# Altium PCB KAY1024_ATX.PcbDoc (part 3 of 4)
Units mm, origin at the board's own origin, x right, y up, seen from the top; angles counter-clockwise.
Board outline 170 x 215 mm, 2 copper layers (Top Layer, Bottom Layer), stack 1.57 mm thick; 239 components, 312 nets, 1637 pads, 958 vias.
Unrouted connection lines stored in the file: 1.
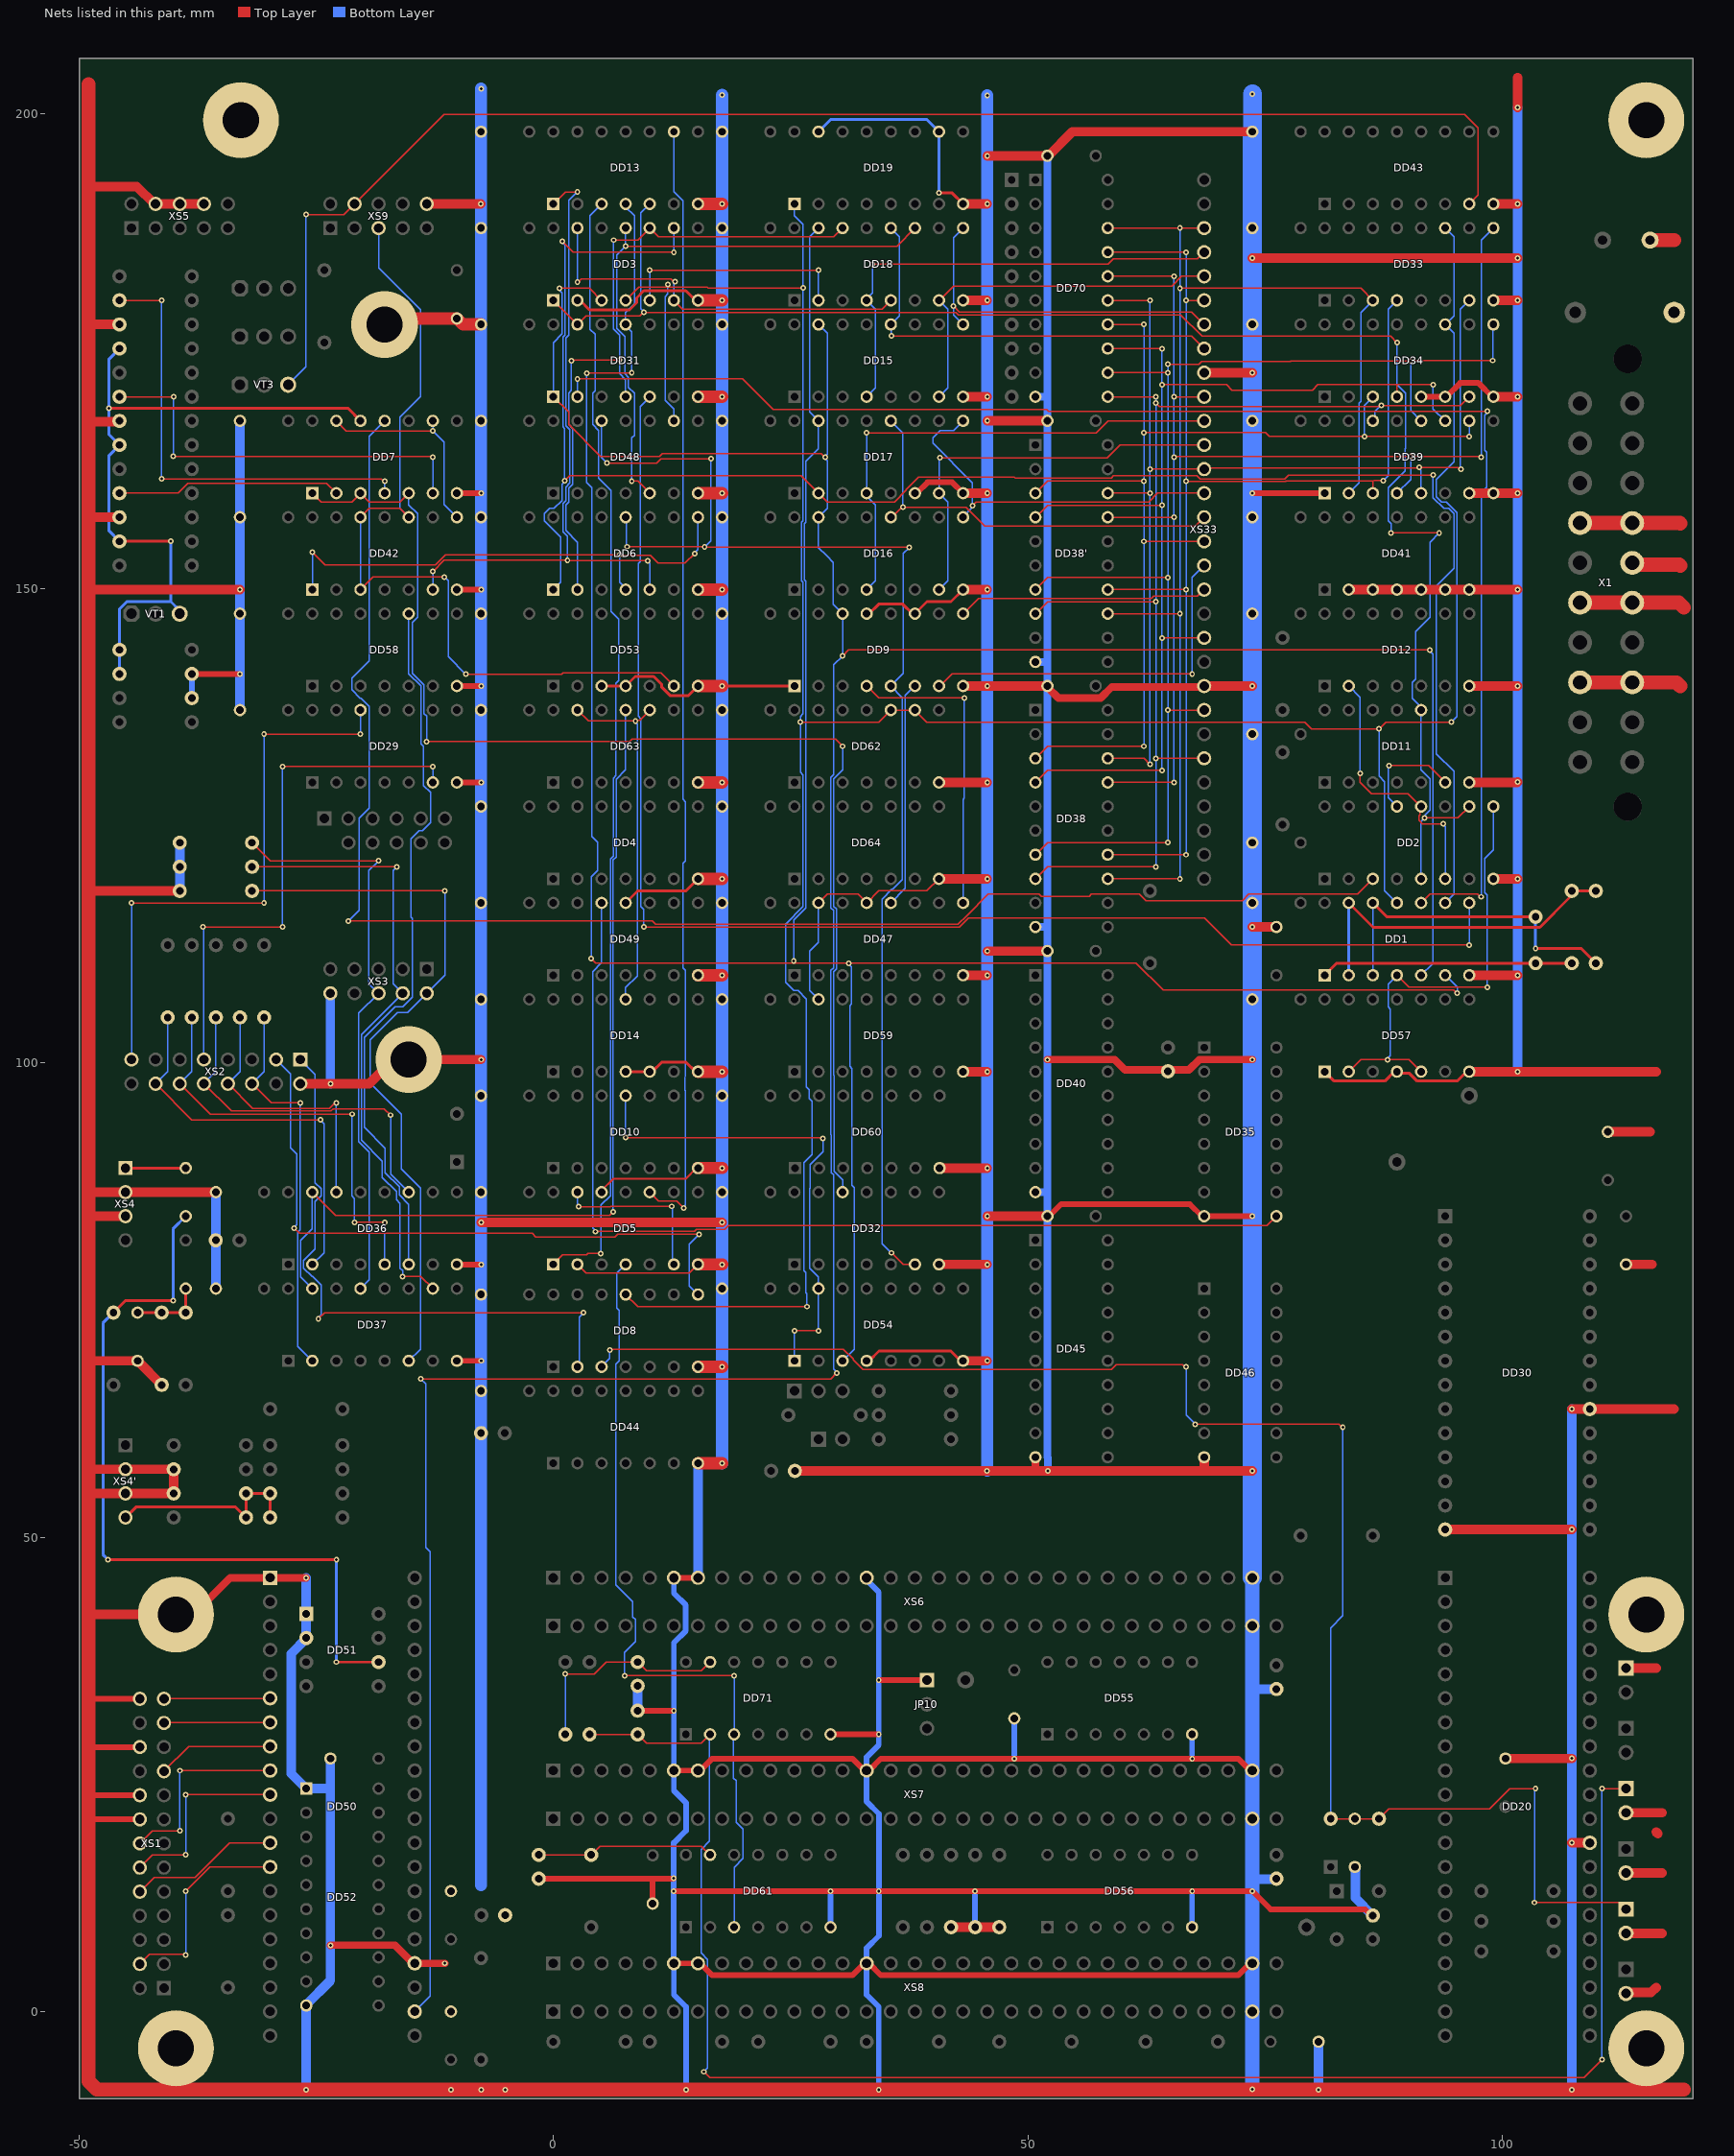
[diagram p3: the nets of this part, all layers, seen from the top]

## Via types
v1: diameter 0.6, hole 0.3, Top Layer to Bottom Layer, tented both sides, 956 vias
v2: diameter 7, hole 3.8, Top Layer to Bottom Layer, 2 vias

## Nets (pads, with @x,y where several pads share a name; then routed paths per layer and width w, separated by ;. In a path a pad name is that pad's centre, name@x,y a point inside that pad or via, vN(x,y) a via of type N, cw(c..) or ccw(c..) an arc to the next point about the centre after c; other vN are vias at no path point) (continued)
DRED: DD43.7 VT3.B XS9.4 | length 155.6
  Top Layer w0.15: v1(-26.067,189.395) -22.06,189.395 XS9.4@-20.955,190.5 -11.51,199.945 96.003,199.945 97.445,198.503 97.445,191.425 DD43.7@96.52,190.5
  Bottom Layer w0.15: VT3.B@-27.94,171.45 -26.067,173.323 v1(-26.067,189.395)
FLASH: DD5.10 DD13.9 | length 118.6
  Top Layer w0.15: DD5.10@10.16,86.36 11.085,85.435 12.99,85.435 v1(13.742,84.683)
  Bottom Layer w0.15: DD13.9@12.7,198.12 12.7,191.808 13.67,190.838 13.67,127.762 13.925,127.507 13.925,121.261 13.655,120.991 13.655,109.998 13.925,109.727 13.925,98.553 13.85,98.477 13.85,97.103 13.925,97.027 13.925,84.989 13.742,84.805 v1(13.742,84.683)
GND: C1.2 C2.2 C4.2 C5.2 C7.2 C8.2 C9.2 C10.2 C11.2 C12.2 C13.2 C14.2 C15.2 C16.2 C18.2 C19.2 C20.2 C21.2 C22.2 C23.2 C24.2 C25.2 C26.2 C27.2 C28.2 C29.1 C30.2 C31.2 C32.2 C33.2 C34.2 C35.2 C36.2 C37.2 C38.2 C39.2 C40.2 C41.2 C42.2 C43.2 C44.2 C45.2 C46.2 C47.2 C48.2 C49.2 C50.2 C51.2 C52.2 C53.2 C54.2 C55.2 C56.2 C57.2 C58.2 C59.2 C60.2 C61.2 C62.2 C63.2 C64.2 C65.2 C66.2 C67.2 C68.2 C69.2 C70.2 C71.2 C72.2 C73.2 C74.2 C75.2 C76.2 DD1.7 DD2.8 DD3.2 DD3.7 DD4.7 DD5.2 DD5.7 DD5.12 DD6.7 DD7.7 DD8.7 DD9.1 DD9.8 DD9.11 DD9.13 DD10.7 DD11.7 DD12.7 DD13.7 DD14.4 DD14.5 DD14.7 DD15.8 DD16.8 DD17.6 DD17.8 DD18.8 DD19.8 DD19.10 DD19.15 DD20.29 DD29.7 DD30.14 DD30.20 DD31.7 DD32.7 DD33.8 DD34.5 DD34.6 DD34.8 DD35.8 DD36.8 DD37.8 DD38'.10 DD38.10 DD39.1 DD39.7 DD39.8 DD40.10 DD41.2 DD41.3 DD41.4 DD41.5 DD41.6 DD41.7 DD42.7 DD43.8 DD44.7 DD45.10 DD46.8 DD47.8 DD47.13 DD47.15 DD48.7 DD49.7 DD49.11 DD50.1 DD50.24 DD51.1 DD51.2 DD52.1 DD52.10 DD53.3 DD53.4 DD53.7 DD54.4 DD54.8 DD55.7 DD56.7 DD57.1 DD57.4 DD57.7 DD58.7 DD59.8 DD59.15 DD60.7 DD61.7 DD62.7 DD63.7 DD64.7 DD70.10 DD71.7 HL1.1 JP1'.2 JP1.2 JP2.2 JP7.2 JP10.1 pad.0 R12.1 R14.1 R24.2 R27.1 R28.1 R29.1 R48.1 R49.1 R50.1 R51.1 R54.1 R56.1 R57.1 R75.1 VD5.1 X1.3 X1.5 X1.7 X1.13 X1.15 X1.16 X1.17 XS1.16 XS1.18 XS1.22 XS1.26 XS2.2 XS3.10 XS4'.2 XS4'.3 XS4.2 XS4.3 XS5.4 XS5.6 XS5.8 XS6.A6 XS6.A7 XS6.A14 XS6.A30 XS6.B30 XS7.A6 XS7.A7 XS7.A14 XS7.A30 XS7.B30 XS8.A6 XS8.A7 XS8.A14 XS8.A30 XS8.B30 XS9.10 XS33.9 XS33.22 | length 2788.9
  Top Layer w0.15: DD5.2@2.54,78.74 3.465,77.815 14.315,77.815 DD5.7@15.24,78.74 ; DD47.15@27.94,116.84 28.865,117.765 32.095,117.765 DD47.13@33.02,116.84 34.29,118.11 39.37,118.11 DD64.7@40.64,119.38
  Top Layer w0.2: DD5.12@5.08,86.36 5.08,86.509 6.34,87.769 13.96,87.769 15.091,88.9 DD10.7@15.24,88.9
  Top Layer w0.3: DD3.2@2.54,180.34 2.811,180.34 3.811,179.34 8.034,179.34 8.78,180.085 8.78,180.602 9.525,181.347 13.962,181.347 14.969,180.34 DD3.7@15.24,180.34 ; DD53.3@5.08,139.7 DD53.4@7.62,139.7 8.62,140.7 10.574,140.7 11.43,139.844 11.43,139.556 12.286,138.7 14.24,138.7 DD53.7@15.24,139.7 ; DD14.4@7.62,99.06 DD14.5@10.16,99.06 10.431,99.06 11.431,100.06 13.969,100.06 14.969,99.06 DD14.7@15.24,99.06 ; DD49.11@7.62,116.84 8.89,118.11 13.97,118.11 DD4.7@15.24,119.38 ; v1(17.78,139.7) DD9.1@25.4,139.7 ; DD54.4@33.02,68.58 33.291,68.58 34.32,69.609 41.88,69.609 42.909,68.58 DD54.8@43.18,68.58 ; DD9.13@33.02,147.32 33.291,147.32 34.291,148.32 36.829,148.32 37.829,147.32 DD9.11@38.1,147.32 39.37,148.59 41.91,148.59 DD16.8@43.18,149.86 ; v1(40.64,191.65) 42.03,191.65 DD19.8@43.18,190.5 ; DD57.1@81.28,99.06 82.28,98.06 87.629,98.06 88.629,99.06 DD57.4@88.9,99.06 89.091,98.869 90.217,98.869 91.026,98.06 95.249,98.06 96.249,99.06 DD57.7@96.52,99.06
  Top Layer w0.6: -48.976,20.32 -48.912,20.256 XS1.16@-43.576,20.256 ; -48.976,22.86 -48.912,22.796 XS1.18@-43.576,22.796 ; -48.976,27.94 -48.912,27.876 XS1.22@-43.576,27.876 ; -48.976,33.02 -48.912,32.956 XS1.26@-43.576,32.956 ; R51.1@-38.1,140.97 v1(-33.02,140.97) ; v2@-16.465,101.555 v2(-15.24,100.33) ; DD37.8@-10.16,68.58 v1(-7.62,68.58) ; DD36.8@-10.16,78.74 v1(-7.62,78.74) ; DD29.7@-10.16,129.54 v1(-7.62,129.54) ; DD58.7@-10.16,139.7 v1(-7.62,139.7) ; DD42.7@-10.16,149.86 v1(-7.62,149.86) ; DD7.7@-10.16,160.02 v1(-7.62,160.02) ; C55.2@-7.701,106.68 C55.2@-7.62,106.68 ; C20.2@-1.543,14.01 10.467,14.01 ; C23.2@8.89,31.71 v1@12.694,31.71 ; C24.2@10.471,11.384 10.471,14.007 10.467,14.01 ; v1(12.677,12.7) v1(29.21,12.7) v1(34.29,12.7) v1(44.45,12.7) v1(67.31,12.7) v1(73.66,12.7) 75.589,10.771 85.559,10.771 86.21,10.12 C5.2@86.36,10.12 ; v1(12.698,14.031) 12.677,14.01 10.467,14.01 ; XS8.A6@12.7,5.08 XS8.A7@15.24,5.08 15.484,5.08 16.734,3.83 31.526,3.83 32.776,5.08 XS8.A14@33.02,5.08 33.264,5.08 34.514,3.83 72.166,3.83 73.416,5.08 XS8.A30@73.66,5.08 ; XS7.A6@12.7,25.4 XS7.A7@15.24,25.4 15.484,25.4 16.734,26.65 31.526,26.65 32.776,25.4 XS7.A14@33.02,25.4 33.264,25.4 34.514,26.65 48.547,26.65 v1@48.566,26.65 ; XS6.A6@12.7,45.72 XS6.A7@15.24,45.72 ; DD71.7@29.21,29.21 v1(34.29,29.21) ; v1(34.29,34.925) JP10.1@39.37,34.925 ; DD17.6@38.1,160.02 38.289,160.02 39.439,161.17 42.03,161.17 DD17.8@43.18,160.02 ; v1(48.571,26.644) v1@48.566,26.65 ; C9.2@52.07,83.833 52.259,83.833 53.516,85.09 67.066,85.09 68.336,83.82 DD35.8@68.58,83.82 v1(73.66,83.82) ; XS7.A30@73.66,25.4 73.416,25.4 72.166,26.65 v1(67.31,26.65) v1@48.566,26.65 ; v1(73.66,160.02) DD39.1@81.28,160.02 ; DD34.5@91.44,170.18 DD34.6@93.98,170.18 94.115,170.18 95.565,171.63 97.475,171.63 98.925,170.18 DD34.8@99.06,170.18
  Top Layer w0.8: pad.0@-39.766,41.846 -37.913,41.846 -34.039,45.72 DD50.1@-29.845,45.72 v1(-26.035,45.72) ; v1(-23.495,6.985) -23.478,7.002 -16.698,7.002 -14.776,5.08 DD50.24@-14.605,5.08 v1(-11.43,5.08) ; 50.8,56.981 DD45.10@50.8,58.42 ; v1(52.07,100.33) 59.14,100.33 60.236,99.234 64.636,99.234 C19.2@64.77,99.1 64.904,99.234 66.986,99.234 68.082,100.33 v1(73.66,100.33) ; C40.2@52.07,139.707 52.07,139.572 53.218,138.424 57.678,138.424 58.863,139.608 68.488,139.608 XS33.22@68.58,139.7
  Top Layer w1: -48.976,41.91 -48.912,41.846 pad.0@-39.766,41.846 ; -48.976,54.61 XS4'.3@-45.085,54.61 R14.1@-40.005,54.61 R12.1@-40.005,57.15 XS4'.2@-45.085,57.15 -48.976,57.15 ; -48.976,68.563 -48.959,68.58 C4.2@-43.815,68.58 -43.813,68.58 R24.2@-41.275,66.043 R24.2@-41.275,66.043 ; -48.976,83.82 XS4.3@-45.085,83.82 ; -48.976,86.36 XS4.2@-45.085,86.36 C71.2@-35.56,86.36 ; -48.976,118.11 R27.1@-39.37,118.11 ; -48.976,149.86 v1(-33.02,149.86) ; -48.976,157.48 R50.1@-45.72,157.48 ; -48.976,167.344 -48.775,167.544 -45.816,167.544 R48.1@-45.72,167.64 ; -48.976,177.8 R49.1@-45.72,177.8 ; -48.976,192.34 -43.885,192.34 -42.045,190.5 XS5.4@-41.91,190.5 XS5.6@-39.37,190.5 XS5.8@-36.83,190.5 ; XS2.2@-26.67,97.79 v1(-23.464,97.79) -19.404,97.79 -16.864,100.33 v2(-15.24,100.33) v1(-7.62,100.33) ; XS9.10@-13.335,190.5 v1(-7.637,190.5) ; v1(-7.62,83.185) v1(17.78,83.185) ; C59.2@25.451,56.981 v1(45.674,56.981) 50.8,56.981 52.128,56.981 v1(52.131,56.984) 55.569,56.984 55.583,56.97 59.021,56.97 59.035,56.984 68.58,56.984 ; DD32.7@40.64,78.74 v1(45.72,78.74) ; DD64.7@40.64,119.38 v1(45.72,119.38) ; DD62.7@40.64,129.54 v1(45.72,129.54) ; DD60.7@40.704,88.9 v1(45.72,88.9) ; R75.1@41.91,8.89 R57.1@44.45,8.89 R56.1@46.99,8.89 ; DD54.8@43.18,68.58 v1(45.72,68.58) ; DD59.8@43.18,99.06 v1(45.72,99.06) ; DD9.8@43.18,139.7 v1(45.72,139.7) 45.727,139.707 C40.2@52.07,139.707 ; DD16.8@43.18,149.86 v1(45.72,149.86) ; DD17.8@43.18,160.02 v1(45.72,160.02) ; DD15.8@43.18,170.18 v1(45.72,170.18) ; DD18.8@43.18,180.34 v1(45.72,180.34) ; DD19.8@43.18,190.5 v1(45.72,190.5) ; DD47.8@43.261,109.22 v1(45.72,109.22) ; v1(45.72,83.82) 45.733,83.833 C9.2@52.07,83.833 ; v1(45.72,111.76) 52.06,111.76 C10.2@52.07,111.77 ; v1(45.72,167.64) 45.723,167.643 C39.2@52.07,167.643 ; v1(45.72,195.58) C38.2@52.07,195.58 52.151,195.58 54.691,198.12 C37.2@73.66,198.12 ; DD46.8@68.58,58.42 68.58,56.984 ; XS33.22@68.58,139.7 v1(73.66,139.7) ; XS33.9@68.58,172.72 v1(73.66,172.72) ; v1(73.66,56.984) 68.58,56.984 ; v1(73.66,114.3) C8.2@76.2,114.3 ; v1(73.66,184.785) v1(101.6,184.785) ; DD41.2@83.82,149.86 DD41.3@86.36,149.86 DD41.4@88.9,149.86 DD41.5@91.44,149.86 DD41.6@93.98,149.86 DD41.7@96.52,149.86 v1(101.6,149.86) ; DD30.14@93.98,50.8 v1(107.315,50.8) ; DD57.7@96.52,99.06 v1(101.6,99.06) 116.205,99.06 ; DD1.7@96.52,109.22 v1(101.6,109.22) ; DD11.7@96.52,129.54 101.559,129.54 v1(101.6,129.581) ; DD12.7@96.52,139.7 v1(101.6,139.7) ; DD39.7@96.52,160.02 DD39.8@99.06,160.02 v1(101.6,160.02) ; DD2.8@99.06,119.38 v1(101.6,119.38) ; DD34.8@99.06,170.18 v1(101.6,170.18) ; DD33.8@99.06,180.34 v1(101.6,180.34) ; DD43.8@99.06,190.5 v1(101.6,190.5) ; C41.2@100.33,26.67 v1(107.315,26.67) ; v1(101.6,200.66) 101.6,203.835 ; v1(107.315,17.78) DD20.29@109.22,17.78 ; v1(107.315,63.5) DD30.20@109.22,63.5 118.11,63.5 ; C29.1@111.125,92.71 115.553,92.71 115.57,92.693 ; JP7.2@113.03,1.905 113.145,2.02 115.685,2.02 116.205,2.54 ; JP1.2@113.03,8.255 116.84,8.255 ; JP2.2@113.03,14.605 116.84,14.605 ; JP1'.2@113.03,20.955 116.84,20.955 ; HL1.1@113.03,36.195 116.205,36.195 ; C65.2@113.03,78.74 115.753,78.74 ; 116.205,18.935 116.397,18.743
  Top Layer w1.3: v2(-17.78,177.8) -17.145,178.435 C74.2@-10.16,178.435 -9.525,177.8 C25.2@-7.62,177.8 ; DD44.7@15.24,57.785 v1(17.78,57.785) ; DD8.7@15.24,67.945 v1(17.78,67.945) ; DD5.7@15.24,78.74 v1(17.78,78.74) ; DD10.7@15.24,88.9 v1(17.78,88.9) ; DD14.7@15.24,99.06 v1(17.78,99.06) ; DD49.7@15.24,109.22 v1(17.78,109.22) ; DD4.7@15.24,119.38 v1(17.78,119.38) ; DD63.7@15.24,129.54 v1(17.78,129.54) ; DD53.7@15.24,139.7 v1(17.78,139.7) ; DD6.7@15.24,149.86 v1(17.78,149.86) ; DD48.7@15.24,160.02 v1(17.78,160.02) ; DD31.7@15.24,170.18 v1(17.78,170.18) ; DD3.7@15.24,180.34 v1(17.78,180.34) ; DD13.7@15.24,190.5 v1(17.78,190.5)
  Top Layer w1.5: -48.976,203.128 -48.976,192.34 -48.976,177.8 -48.976,167.344 -48.976,157.48 -48.976,149.86 -48.976,118.11 -48.976,86.36 -48.976,83.82 -48.976,68.563 -48.976,57.15 -48.976,54.61 -48.976,41.91 -48.976,33.02 -48.976,27.94 -48.976,22.86 -48.976,20.32 -48.976,-7.335 -48.097,-8.214 v1(73.66,-8.214) 119.124,-8.214 ; X1.3@108.189,140.081 X1.13@113.689,140.081 118.364,140.081 118.745,139.7 ; X1.5@108.189,148.481 X1.15@113.689,148.481 118.598,148.481 119.124,147.955 ; X1.7@108.189,156.881 X1.17@113.689,156.881 118.709,156.881 118.745,156.845 ; X1.16@113.689,152.681 113.88,152.49 118.655,152.49 118.745,152.4 ; C2.2@115.57,186.69 118.11,186.69
  Bottom Layer w0.15: DD59.15@27.94,106.68 27.015,107.605 27.015,111.76 27.94,112.685 DD47.15@27.94,116.84
  Bottom Layer w0.3: DD19.15@27.94,198.12 29.21,199.39 39.37,199.39 DD19.10@40.64,198.12 v1(40.64,191.65)
  Bottom Layer w0.6: R54.1@-38.1,138.43 R51.1@-38.1,140.97 ; XS6.A6@12.7,45.72 12.7,44.085 13.95,42.835 13.95,40.122 12.7,38.872 v1(12.7,31.716) XS7.A6@12.7,25.4 12.7,23.27 13.97,22 13.97,19.059 12.691,17.78 12.691,14.031 12.691,5.089 XS8.A6@12.7,5.08 12.7,1.768 13.97,0.498 v1(13.97,-8.255) ; DD61.7@29.21,8.89 v1(29.21,12.7) ; XS6.A14@33.02,45.72 33.02,45.476 34.29,44.206 v1(34.29,34.925) v1(34.29,29.21) 34.29,28.09 33.02,26.82 XS7.A14@33.02,25.4 33.02,22.124 34.31,20.834 34.31,7.983 33.02,6.693 XS8.A14@33.02,5.08 33.02,1.768 34.29,0.498 v1(34.29,-8.255) ; R57.1@44.45,8.89 v1(44.45,12.7) ; v1(48.571,26.644) 48.573,26.646 C75.2@48.573,30.899 ; DD56.7@67.31,8.89 v1(67.31,12.7) ; v1(67.31,26.65) DD55.7@67.31,29.21
  Bottom Layer w0.8: DD40.10@50.8,86.36 52.07,86.36 ; DD38.10@50.8,114.3 52.07,114.3 ; DD38'.10@50.8,142.24 52.07,142.24 ; DD70.10@50.8,170.18 52.07,170.18 ; C38.2@52.07,195.58 52.07,170.18 ; v1(52.131,56.984) 52.131,58.359 52.07,58.42 C9.2@52.07,83.833 52.07,86.36 ; 52.07,86.36 v1(52.07,100.33) C10.2@52.07,111.77 52.07,114.3 ; 52.07,114.3 C40.2@52.07,139.707 52.07,142.24 ; 52.07,142.24 C39.2@52.07,167.643 52.07,170.18
  Bottom Layer w1: R27.1@-39.37,118.11 R28.1@-39.37,120.65 R29.1@-39.37,123.19 ; C72.2@-35.56,76.2 C71.2@-35.56,86.36 ; C70.2@-33.02,137.16 v1(-33.02,140.97) C68.2@-33.02,147.32 v1(-33.02,149.86) C67.2@-33.02,157.48 C69.2@-33.02,167.64 ; v1(-26.035,-8.255) DD52.10@-26.035,0.635 -26.035,0.716 -23.495,3.256 v1(-23.495,6.985) -23.495,23.495 ; v1(-26.035,45.72) DD51.1@-26.035,41.91 DD51.2@-26.035,39.37 -26.035,39.306 -27.616,37.726 -27.616,25.076 DD52.1@-26.035,23.495 -23.495,23.495 ; C76.2@-23.495,26.67 -23.495,23.495 ; XS3.10@-23.495,107.315 -23.495,97.821 v1(-23.464,97.79) ; C22.2@8.877,34.33 8.884,34.324 8.884,31.716 C23.2@8.89,31.71 ; XS6.A7@15.24,45.72 DD44.7@15.24,57.785 ; 73.66,13.97 76.16,13.97 C58.2@76.2,14.01 ; 73.66,34.086 73.756,33.99 C36.2@76.2,33.99 ; v1(80.645,-8.255) C56.2@80.645,-3.175 ; C1.2@84.455,15.24 84.512,15.183 84.512,11.968 C5.2@86.36,10.12 ; v1(101.6,99.06) v1(101.6,109.22) v1(101.6,119.38) v1(101.6,129.581) v1(101.6,139.7) v1(101.6,149.86) v1(101.6,160.02) v1(101.6,170.18) v1(101.6,180.34) v1(101.6,184.785) v1(101.6,190.5) v1(101.6,200.66) ; v1(107.315,-8.255) v1(107.315,17.78) v1(107.315,26.67) v1(107.315,50.8) v1(107.315,63.5)
  Bottom Layer w1.3: -7.62,13.335 -7.62,50.165 C60.2@-7.62,60.96 C66.2@-7.62,65.405 v1(-7.62,68.58) C64.2@-7.62,75.565 v1(-7.62,78.74) v1(-7.62,83.185) C63.2@-7.62,86.36 C62.2@-7.62,96.52 v1(-7.62,100.33) C55.2@-7.62,106.68 C35.2@-7.62,116.84 C32.2@-7.62,127 v1(-7.62,129.54) C30.2@-7.62,137.16 v1(-7.62,139.7) C28.2@-7.62,147.32 v1(-7.62,149.86) C27.2@-7.62,157.48 v1(-7.62,160.02) C26.2@-7.62,167.64 C25.2@-7.62,177.8 C51.2@-7.62,187.96 C18.2@-7.62,198.12 v1(-7.62,202.636) ; v1(17.768,201.998) 17.78,201.986 C13.2@17.78,198.12 v1(17.78,190.5) C52.2@17.78,187.96 v1(17.78,180.34) C53.2@17.78,177.8 v1(17.78,170.18) C54.2@17.78,167.64 v1(17.78,160.02) C57.2@17.78,157.48 v1(17.78,149.86) C61.2@17.78,147.32 v1(17.78,139.7) C11.2@17.78,137.16 v1(17.78,129.54) C47.2@17.78,127 v1(17.78,119.38) C48.2@17.78,116.84 v1(17.78,109.22) C15.2@17.78,106.68 v1(17.78,99.06) C7.2@17.78,96.52 v1(17.78,88.9) C50.2@17.78,86.36 v1(17.78,83.185) v1(17.78,78.74) C46.2@17.78,76.2 v1(17.78,67.945) v1(17.78,57.785) ; v1@45.72,57.027 v1(45.72,68.58) v1(45.72,78.74) v1(45.72,83.82) v1(45.72,88.9) v1(45.72,99.06) v1(45.72,109.22) v1(45.72,111.76) v1(45.72,119.38) v1(45.72,129.54) v1(45.72,139.7) v1(45.72,149.86) v1(45.72,160.02) v1(45.72,167.64) v1(45.72,170.18) v1(45.72,180.34) v1(45.72,190.5) v1(45.72,195.58) v1(45.72,201.93)
  Bottom Layer w1.5: v1(73.66,-8.214) XS8.B30@73.66,0 XS8.A30@73.66,5.08 v1(73.66,12.7) 73.66,13.97 XS7.B30@73.66,20.32 XS7.A30@73.66,25.4 73.66,34.086 XS6.B30@73.66,40.64 XS6.A30@73.66,45.72
  Bottom Layer w2: XS6.A30@73.66,45.72 v1(73.66,56.984) v1(73.66,83.82) v1(73.66,100.33) C21.2@73.66,106.68 v1(73.66,114.3) C14.2@73.66,116.84 C49.2@73.66,123.19 C16.2@73.66,134.62 v1(73.66,139.7) C12.2@73.66,147.32 C45.2@73.66,157.48 v1(73.66,160.02) C44.2@73.66,167.64 v1(73.66,172.72) C43.2@73.66,177.8 v1(73.66,184.785) C42.2@73.66,187.96 C37.2@73.66,198.12 73.667,198.127 v1(73.667,202.092)
  other v1: -10.795,-8.255 -7.62,-8.255 -5.08,-8.255
H0: DD2.5 DD2.10 DD3.1 DD11.10 DD13.5 DD31.13 | length 174.4
  Top Layer w0.15: DD3.1@0,180.34 DD31.13@2.54,177.8 3.465,178.725 9.128,178.725 9.473,179.07 v1(9.525,179.07) 42.425,179.07 42.674,178.821 66.109,178.821 68.355,176.575 88.22,176.575 v1(88.9,175.895) ; v1(88.265,155.839) 90.804,155.839 90.806,155.842 93.333,155.842 v1(93.345,155.83) ; v1(91.79,125.791) 95.311,125.791 DD2.10@96.52,127
  Bottom Layer w0.15: v1(9.525,179.07) 9.525,179.192 9.235,179.482 9.235,189.575 DD13.5@10.16,190.5 ; v1(88.265,155.839) 88.265,156.807 87.975,157.097 87.975,160.58 89.775,162.38 89.775,164.705 89.825,164.755 89.825,170.563 88.9,171.488 v1(88.9,175.895) ; DD2.5@91.44,119.38 91.44,125.398 91.698,125.656 91.925,125.656 v1@91.876,125.705 ; v1(91.79,125.791) v1@91.876,125.705 ; v1(93.345,155.83) 92.365,154.85 92.365,146.937 90.865,145.437 90.865,140.433 90.515,140.083 90.515,138.396 91.44,137.471 DD11.10@91.44,137.16 91.44,130.848 92.365,129.923 92.365,126.617 91.876,126.128 v1@91.876,125.705
H1: DD1.5 DD3.3 DD9.14 DD15.15 DD16.15 DD31.1 DD50.22 | length 371.6
  Top Layer w0.15: v1(-13.97,66.675) 29.21,66.675 v1(29.845,67.31) ; DD31.1@0,170.18 1.615,168.565 1.615,167.257 4.982,163.89 11.165,163.89 11.491,164.216 28.223,164.216 v1(28.645,163.794) ; v1(0.635,181.61) 3.81,181.61 DD3.3@5.08,180.34 ; v1(30.48,142.875) 31.106,143.501 v1(92.368,143.501)
  Bottom Layer w0.15: DD50.22@-14.605,0 -12.968,1.637 -12.968,48.479 -13.426,48.937 -13.426,66.131 v1(-13.97,66.675) ; DD31.1@0,170.18 0,175.891 0.925,176.816 0.925,181.104 0.721,181.308 0.721,181.524 v1(0.635,181.61) ; DD15.15@27.94,177.8 28.865,176.875 28.865,164.136 28.645,163.916 v1(28.645,163.794) 28.645,163.672 28.865,163.452 28.865,158.405 DD16.15@27.94,157.48 27.94,154.272 28.815,153.397 ; 28.815,153.396 29.485,152.726 29.485,148.315 DD9.14@30.48,147.32 v1(30.48,142.875) 29.555,141.95 29.555,130.347 29.255,130.047 29.255,116.333 29.526,116.062 29.526,109.998 29.255,109.727 29.255,92.414 29.292,92.377 29.292,88.42 29.537,88.174 29.537,67.74 29.845,67.432 v1(29.845,67.31) ; DD1.5@91.44,109.22 92.665,110.445 92.665,143.082 92.368,143.379 v1(92.368,143.501)
H1/: DD1.6 DD13.4 DD17.15 DD18.15 DD31.11 DD54.3 | length 303.5
  Top Layer w0.15: v1(3.515,172.678) 3.536,172.699 8.234,172.699 v1(8.255,172.72) ; v1(4.001,110.957) 4.478,110.48 v1@25.33,110.48 ; v1(25.34,110.72) 25.34,110.48 31.105,110.48 v1(31.115,110.49) ; v1@31.117,110.492 31.119,110.49 61.415,110.49 64.255,107.65 94.843,107.65 95.178,107.315 v1(95.25,107.315)
  Bottom Layer w0.15: v1(3.515,172.678) 3.515,161.161 4.065,160.611 4.065,123.84 4.648,123.257 4.648,120.256 4.001,119.609 v1(4.001,110.957) ; DD13.4@7.62,190.5 7.62,190.189 8.545,189.264 8.545,179.957 7.62,179.032 DD31.11@7.62,177.8 7.62,177.66 8.255,177.025 v1(8.255,172.72) ; v1(25.34,110.72) 25.34,115.048 26.625,116.333 26.625,150.748 26.473,150.9 26.473,156.821 26.625,156.973 26.625,163.376 27.94,164.691 DD17.15@27.94,167.64 27.015,168.565 27.015,187.035 DD18.15@27.94,187.96 ; DD54.3@30.48,68.58 31.705,69.805 31.705,86.826 31.469,87.062 31.469,99.379 31.235,99.613 31.235,106.007 31.405,106.177 31.405,110.078 31.115,110.368 v1(31.115,110.49) ; DD1.6@93.98,109.22 95.25,107.95 v1(95.25,107.315)
H2: DD1.11 DD3.4 DD8.11 DD19.1 DD33.11 DD34.11 DD48.9 DD62.9 DD62.10 | length 318.5
  Top Layer w0.15: DD8.11@7.62,75.565 8.89,74.295 v1(26.73,74.295) ; DD3.4@7.62,180.34 9.002,181.722 v1@12.063,181.722 ; v1(12.063,181.997) v1@12.063,181.722 ; v1(26.035,135.89) 34.29,135.89 DD62.10@35.56,137.16 DD62.9@38.1,137.16 39.37,135.89 79.202,135.89 79.908,135.184 v1(87.003,135.184) 87.709,135.89 v1(94.615,135.89) ; v1(26.311,181.66) v1(26.311,181.66) 16.283,181.659 16.22,181.722 v1@12.063,181.722
  Bottom Layer w0.15: v1(12.063,181.997) 12.063,181.011 11.775,180.723 11.775,169.797 12.7,168.872 DD48.9@12.7,167.64 ; DD19.1@25.4,190.5 25.4,189.268 26.325,188.343 26.325,181.674 v1(26.311,181.66) 26.325,181.647 26.325,159.256 26.325,157.097 26.173,156.945 26.173,150.776 26.325,150.624 26.325,138.936 26.325,136.777 26.035,136.487 v1(26.035,135.89) 26.035,130.594 26.325,130.304 26.325,116.457 24.475,114.607 24.475,108.456 25.326,107.605 25.783,107.605 26.67,106.718 26.67,97.43 26.97,97.13 26.97,96.246 27.272,95.944 27.272,90.324 26.415,89.468 26.415,78.108 26.625,77.898 26.625,75.783 26.73,75.678 v1(26.73,74.295) ; v1(87.003,135.184) 87.003,130.205 87.585,129.623 87.585,118.155 DD1.11@88.9,116.84 ; DD33.11@93.98,187.96 94.905,187.035 94.905,178.725 DD34.11@93.98,177.8 94.905,176.875 94.905,163.307 93.055,161.457 93.055,159.637 93.597,159.095 94.097,159.095 95.205,157.987 95.205,136.48 v1(94.615,135.89)
H3: DD3.5 DD18.2 | length 24.1
  Top Layer w0.15: v1(10.16,183.515) v1(27.94,183.515)
  Bottom Layer w0.15: DD3.5@10.16,180.34 v1(10.16,183.515) ; DD18.2@27.94,180.34 v1(27.94,183.515)
H4: DD3.6 DD3.13 DD18.5 | length 41.9
  Top Layer w0.15: v1(2.54,182.245) 2.628,182.245 2.955,182.572 12.412,182.572 12.687,182.297 v1(12.808,182.297) ; DD3.6@12.7,180.34 13.625,179.415 34.635,179.415 DD18.5@35.56,180.34